# Allegro board rfmc_frontend_v1_00.brd (continued)
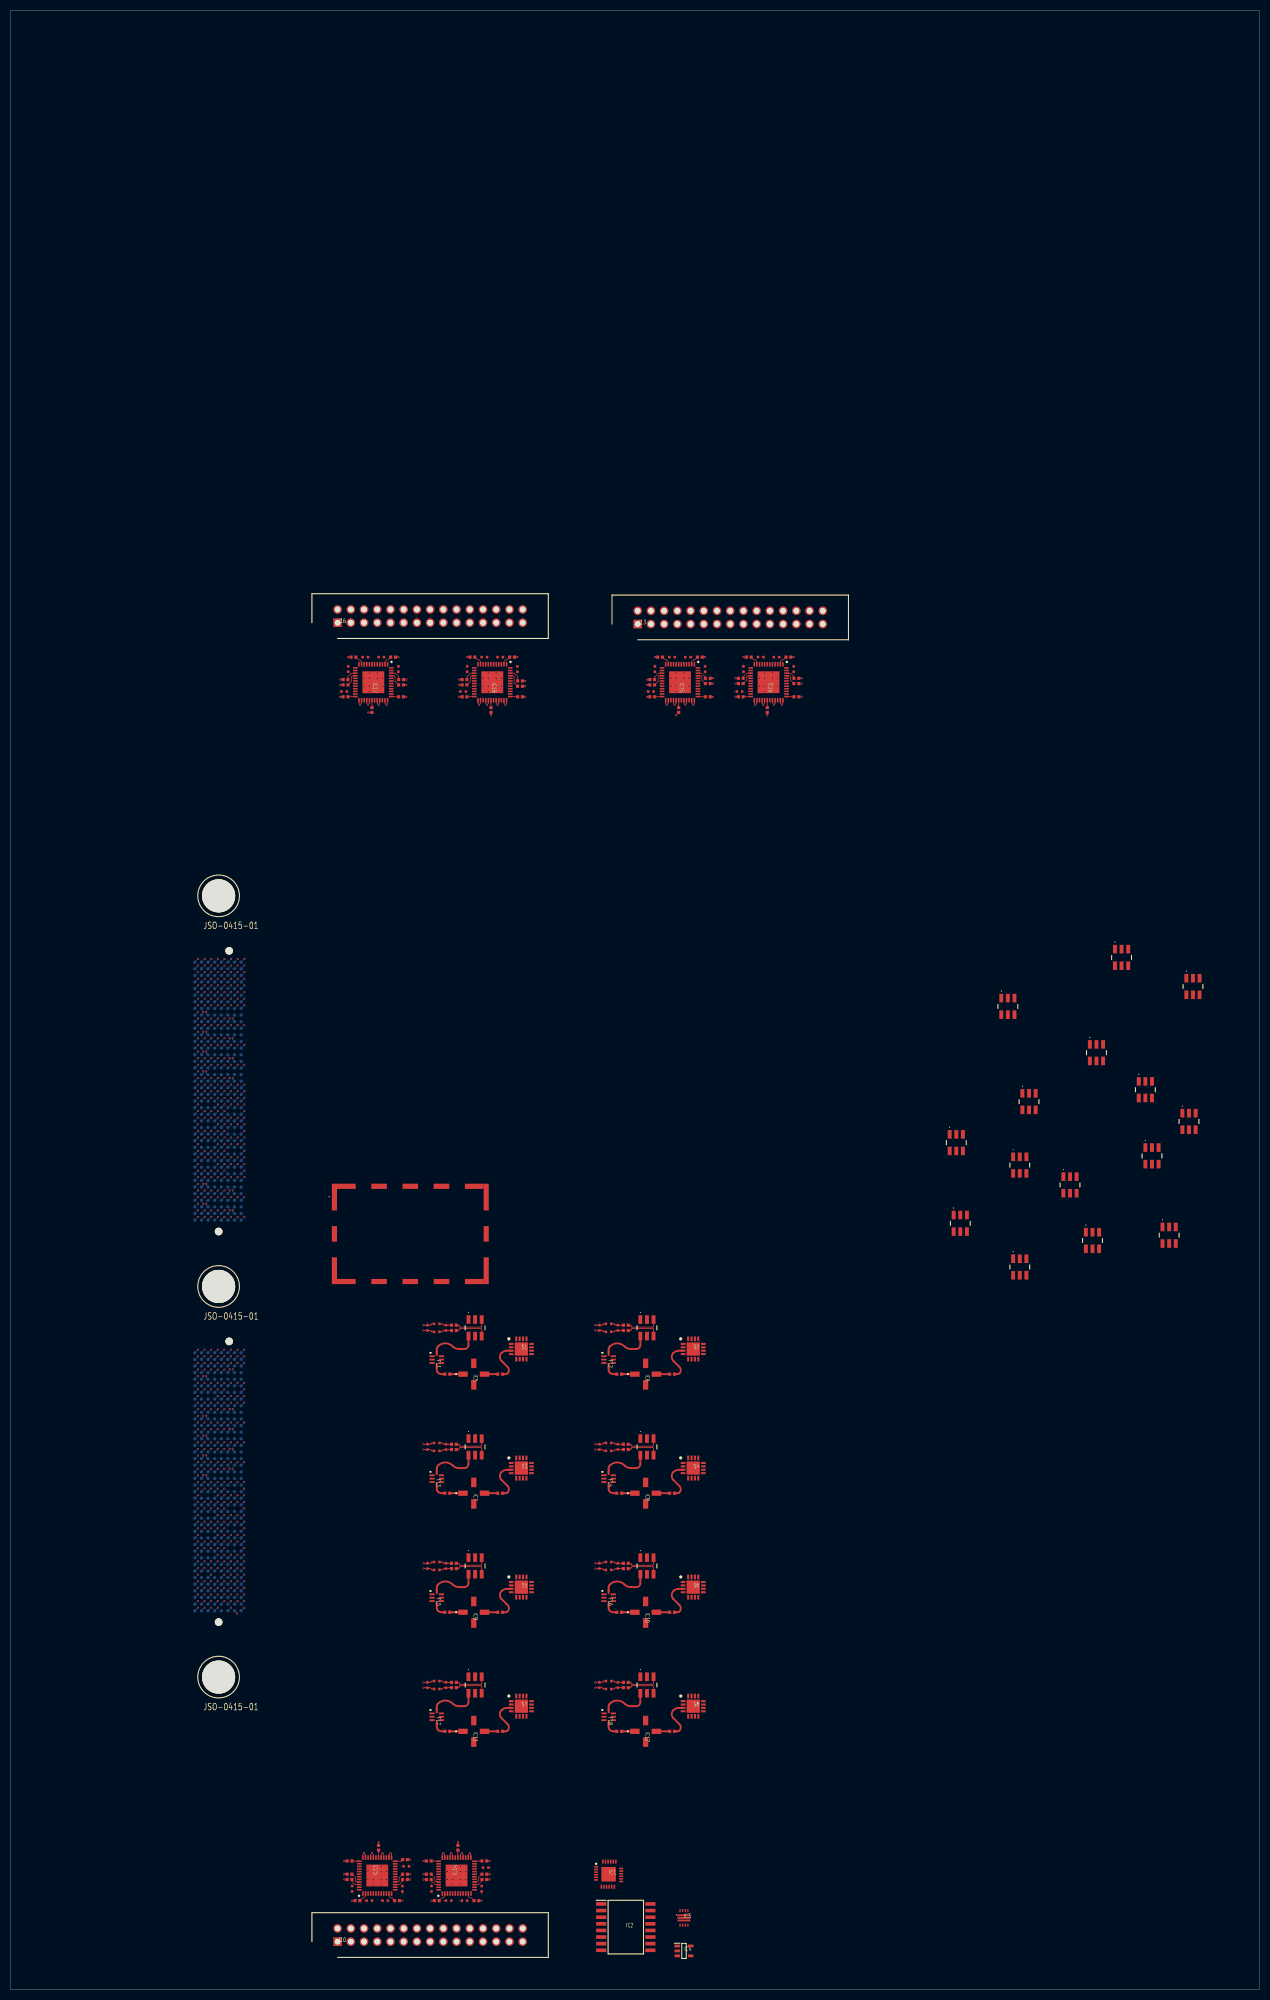
[diagram p0: board, top side]
## Nets
3V3: C130.2 C131.2 C132.2 C133.2 C134.2 C135.2 C136.2 C137.2 C138.2 C140.2 C141.2 C142.2 C143.2 C144.2 C145.2 C146.2 C147.2 C148.2 C150.2 C151.2 C152.2 C153.2 C154.2 C155.2 C156.2 C157.2 C158.2 C160.2 C161.2 C162.2 C163.2 C164.2 C165.2 C166.2 C167.2 C168.2 C170.2 C171.2 C172.2 C173.2 C174.2 C175.2 C176.2 C177.2 C178.2 C180.2 C181.2 C182.2 C183.2 C184.2 C185.2 C186.2 C187.2 C188.2 IC1.21(VCC) IC1.23 IC2.1 IC2.16 IC13.2 IC13.11 IC13.15 IC13.16 IC13.24 IC13.30 IC13.37 IC13.45 IC13.46(VCC_8) IC14.2 IC14.11 IC14.15 IC14.16 IC14.24 IC14.30 IC14.37 IC14.45 IC14.46(VCC_8) IC15.2 IC15.11 IC15.15 IC15.16 IC15.24 IC15.30 IC15.37 IC15.45 IC15.46(VCC_8) IC16.2 IC16.11 IC16.15 IC16.16 IC16.24 IC16.30 IC16.37 IC16.45 IC16.46(VCC_8) IC17.2 IC17.11 IC17.15 IC17.16 IC17.24 IC17.30 IC17.37 IC17.45 IC17.46(VCC_8) IC18.2 IC18.11 IC18.15 IC18.16 IC18.24 IC18.30 IC18.37 IC18.45 IC18.46(VCC_8) J10.30 J13.30 J16.30
3V3_EXT: J20.A34 J20.B34 J20.C34 J20.D34 J20.E34 J20.F34 J20.G34 J20.H34 J21.A7 J21.B7 J21.C7 J21.D7 J21.E7 J21.F7 J21.G7 J21.H7
5V0A: S1.1(VDD) S2.1(VDD) S3.1(VDD) S4.1(VDD) S5.1(VDD) S6.1(VDD) S7.1(VDD) S8.1(VDD)
7V5A: IC4.1
12V0: IC3.1 IC3.8 J10.28 J10.29 J13.28 J13.29 J16.28 J16.29 J20.A1 J20.B1 J20.C1 J20.D1 J20.E1
12V_PGOOD: IC3.7
GND: C130.1 C131.1 C132.1 C133.1 C134.1 C135.1 C136.1 C137.1 C138.1 C140.1 C141.1 C142.1 C143.1 C144.1 C145.1 C146.1 C147.1 C148.1 C150.1 C151.1 C152.1 C153.1 C154.1 C155.1 C156.1 C157.1 C158.1 C160.1 C161.1 C162.1 C163.1 C164.1 C165.1 C166.1 C167.1 C168.1 C170.1 C171.1 C172.1 C173.1 C174.1 C175.1 C176.1 C177.1 C178.1 C180.1 C181.1 C182.1 C183.1 C184.1 C185.1 C186.1 C187.1 C188.1 FL1.1 FL1.2 FL1.3 FL1.5 FL1.6 FL1.7 FL2.1 FL2.2 FL2.3 FL2.5 FL2.6 FL2.7 FL3.1 FL3.2 FL3.3 FL3.5 FL3.6 FL3.7 FL4.1 FL4.2 FL4.3 FL4.5 FL4.6 FL4.7 FL5.1 FL5.2 FL5.3 FL5.5 FL5.6 FL5.7 FL6.1 FL6.2 FL6.3 FL6.5 FL6.6 FL6.7 FL7.1 FL7.2 FL7.3 FL7.5 FL7.6 FL7.7 FL8.1 FL8.2 FL8.3 FL8.5 FL8.6 FL8.7 H4.1 H4.2 H4.3 H4.4 H4.5 H4.6 H4.7 H4.8 H4.9 H4.10 H4.11 H4.12 H4.13 H4.14 H4.15 H4.16 IC1.9 IC1.18 IC1.22 IC1.25 IC2.2 IC2.3 IC2.8(VSS) IC3.3 IC3.4 IC3.11 IC4.2 IC5.2 IC5.4 IC6.2 IC6.4 IC7.2 IC7.4 IC8.2 IC8.4 IC9.2 IC9.4 IC10.2 IC10.4 IC11.2 IC11.4 IC12.2 IC12.4 IC13.6 IC13.7 IC13.18 IC13.20 IC13.22 IC13.23 IC13.27 IC13.31 IC13.34 IC13.38 IC13.39 IC13.41 IC13.43 IC13.49 IC14.6 IC14.7 IC14.18 IC14.20 IC14.22 IC14.23 IC14.27 IC14.31 IC14.34 IC14.38 IC14.39 IC14.41 IC14.43 IC14.49 IC15.6 IC15.7 IC15.18 IC15.20 IC15.22 IC15.23 IC15.27 IC15.31 IC15.34 IC15.38 IC15.39 IC15.41 IC15.43 IC15.49 IC16.6 IC16.7 IC16.18 IC16.20 IC16.22 IC16.23 IC16.27 IC16.31 IC16.34 IC16.38 IC16.39 IC16.41 IC16.43 IC16.49 IC17.6 IC17.7 IC17.18 IC17.20 IC17.22 IC17.23 IC17.27 IC17.31 IC17.34 IC17.38 IC17.39 IC17.41 IC17.43 IC17.49 IC18.6 IC18.7 IC18.18 IC18.20 IC18.22 IC18.23 IC18.27 IC18.31 IC18.34 IC18.38 IC18.39 IC18.41 IC18.43 IC18.49 J10.1 J10.4 J10.7 J10.10 J10.13 J10.16 J10.19 J10.22 J10.25 J13.1 J13.4 J13.7 J13.10 J13.13 J13.16 J13.19 J13.22 J13.25 J16.1 J16.4 J16.7 J16.10 J16.13 J16.16 J16.19 J16.22 J16.25 J20.A2 J20.A3 J20.A4 J20.A5 J20.A6 J20.A7 J20.A8 J20.A9 J20.A10 J20.A11 J20.A12 J20.A13 J20.A14 J20.A15 J20.A16 J20.A17 J20.A18 J20.A19 J20.A20 J20.A21 J20.A22 J20.A23 J20.A24 J20.A25 J20.A26 J20.A27 J20.A28 J20.A29 J20.A30 J20.A31 J20.A32 J20.A33 J20.A36 J20.A38 J20.A40 J20.B2 J20.B3 J20.B5 J20.B6 J20.B8 J20.B9 J20.B11 J20.B12 J20.B14 J20.B15 J20.B17 J20.B18 J20.B20 J20.B21 J20.B23 J20.B24 J20.B26 J20.B27 J20.B29 J20.B30 J20.B32 J20.B33 J20.B35 J20.B37 J20.B39 J20.C2 J20.C3 J20.C5 J20.C6 J20.C8 J20.C9 J20.C11 J20.C12 J20.C14 J20.C15 J20.C17 J20.C18 J20.C20 J20.C21 J20.C23 J20.C24 J20.C26 J20.C27 J20.C29 J20.C30 J20.C32 J20.C33 J20.C36 J20.C38 J20.C40 J20.D2 J20.D3 J20.D4 J20.D5 J20.D6 J20.D7 J20.D8 J20.D9 J20.D10 J20.D11 J20.D12 J20.D13 J20.D14 J20.D15 J20.D16 J20.D17 J20.D18 J20.D19 J20.D20 J20.D21 J20.D22 J20.D23 J20.D24 J20.D25 J20.D26 J20.D27 J20.D28 J20.D29 J20.D30 J20.D31 J20.D32 J20.D33 J20.D35 J20.D37 J20.D39 J20.E2 J20.E3 J20.E4 J20.E5 J20.E6 J20.E7 J20.E8 J20.E9 J20.E10 J20.E11 J20.E12 J20.E13 J20.E14 J20.E15 J20.E16 J20.E17 J20.E18 J20.E19 J20.E20 J20.E21 J20.E22 J20.E23 J20.E24 J20.E25 J20.E26 J20.E27 J20.E28 J20.E29 J20.E30 J20.E31 J20.E32 J20.E33 J20.E36 J20.E38 J20.E40 J20.F1 J20.F2 J20.F3 J20.F4 J20.F6 J20.F7 J20.F9 J20.F10 J20.F12 J20.F13 J20.F15 J20.F16 J20.F18 J20.F19 J20.F21 J20.F22 J20.F24 J20.F25 J20.F27 J20.F28 J20.F30 J20.F31 J20.F33 J20.F35 J20.F37 J20.F39 J20.G3 J20.G4 J20.G6 J20.G7 J20.G9 J20.G10 J20.G12 J20.G13 J20.G15 J20.G16 J20.G18 J20.G19 J20.G21 J20.G22 J20.G24 J20.G25 J20.G27 J20.G28 J20.G30 J20.G31 J20.G33 J20.G36 J20.G38 J20.G40 J20.H3 J20.H4 J20.H5 J20.H6 J20.H7 J20.H8 J20.H9 J20.H10 J20.H11 J20.H12 J20.H13 J20.H14 J20.H15 J20.H16 J20.H17 J20.H18 J20.H19 J20.H20 J20.H21 J20.H22 J20.H23 J20.H24 J20.H25 J20.H26 J20.H27 J20.H28 J20.H29 J20.H30 J20.H31 J20.H32 J20.H33 J20.H35 J20.H37 J20.H39 J21.A1 J21.A3 J21.A5 J21.A8 J21.A9 J21.A10 J21.A11 J21.A12 J21.A13 J21.A14 J21.A15 J21.A16 J21.A17 J21.A18 J21.A19 J21.A20 J21.A22 J21.A23 J21.A24 J21.A25 J21.A26 J21.A27 J21.A28 J21.A29 J21.A30 J21.A31 J21.A32 J21.A33 J21.A34 J21.A35 J21.A36 J21.A37 J21.A38 J21.A39 J21.A40 J21.B2 J21.B4 J21.B6 J21.B8 J21.B9 J21.B11 J21.B12 J21.B14 J21.B15 J21.B17 J21.B18 J21.B20 J21.B22 J21.B23 J21.B25 J21.B26 J21.B28 J21.B29 J21.B31 J21.B32 J21.B34 J21.B35 J21.B37 J21.B38 J21.B40 J21.C1 J21.C3 J21.C5 J21.C8 J21.C9 J21.C11 J21.C12 J21.C14 J21.C15 J21.C17 J21.C18 J21.C20 J21.C22 J21.C23 J21.C25 J21.C26 J21.C28 J21.C29 J21.C31 J21.C32 J21.C34 J21.C35 J21.C37 J21.C38 J21.C40 J21.D2 J21.D4 J21.D6 J21.D8 J21.D9 J21.D10 J21.D11 J21.D12 J21.D13 J21.D14 J21.D15 J21.D16 J21.D17 J21.D18 J21.D19 J21.D20 J21.D22 J21.D23 J21.D24 J21.D25 J21.D26 J21.D27 J21.D28 J21.D29 J21.D30 J21.D31 J21.D32 J21.D33 J21.D34 J21.D35 J21.D36 J21.D37 J21.D38 J21.D39 J21.D40 J21.E1 J21.E3 J21.E5 J21.E8 J21.E9 J21.E10 J21.E11 J21.E12 J21.E13 J21.E14 J21.E15 J21.E16 J21.E17 J21.E18 J21.E19 J21.E20 J21.E22 J21.E23 J21.E24 J21.E25 J21.E26 J21.E27 J21.E28 J21.E29 J21.E30 J21.E31 J21.E32 J21.E33 J21.E34 J21.E35 J21.E36 J21.E37 J21.E38 J21.E39 J21.E40 J21.F2 J21.F4 J21.F6 J21.F8 J21.F10 J21.F11 J21.F13 J21.F14 J21.F16 J21.F17 J21.F19 J21.F20 J21.F22 J21.F24 J21.F25 J21.F27 J21.F28 J21.F30 J21.F31 J21.F33 J21.F34 J21.F36 J21.F37 J21.F39 J21.F40 J21.G1 J21.G3 J21.G5 J21.G8 J21.G10 J21.G11 J21.G13 J21.G14 J21.G16 J21.G17 J21.G19 J21.G20 J21.G22 J21.G24 J21.G25 J21.G27 J21.G28 J21.G30 J21.G31 J21.G33 J21.G34 J21.G36 J21.G37 J21.G39 J21.G40 J21.H2 J21.H4 J21.H6 J21.H8 J21.H9 J21.H10 J21.H11 J21.H12 J21.H13 J21.H14 J21.H15 J21.H16 J21.H17 J21.H18 J21.H19 J21.H20 J21.H22 J21.H23 J21.H24 J21.H25 J21.H26 J21.H27 J21.H28 J21.H29 J21.H30 J21.H31 J21.H32 J21.H33 J21.H34 J21.H35 J21.H36 J21.H37 J21.H38 J21.H39 J21.H40 R121.1 R126.1 R131.1 R136.1 R141.1 R146.1 S1.10 S1.11 S1.17 S2.10 S2.11 S2.17 S3.10 S3.11 S3.17 S4.10 S4.11 S4.17 S5.10 S5.11 S5.17 S6.10 S6.11 S6.17 S7.10 S7.11 S7.17 S8.10 S8.11 S8.17 T1.2 T1.5 T2.2 T2.5 T3.2 T3.5 T4.2 T4.5 T5.2 T5.5 T6.2 T6.5 T7.2 T7.5 T8.2 T8.5 T9.2 T9.5 T10.2 T10.5 T11.2 T11.5 T12.2 T12.5 T13.2 T13.5 T14.2 T14.5 T15.2 T15.5 T16.2 T16.5 T17.2 T17.5 T18.2 T18.5 T19.2 T19.5 T20.2 T20.5 T21.2 T21.5 T22.2 T22.5 T23.2 T23.5
ADC_00_N: J21.F9
ADC_00_P: J21.G9
ADC_01_N: J21.B10
ADC_01_P: J21.C10
ADC_02_N: J21.F12
ADC_02_P: J21.G12
ADC_03_N: J21.B13
ADC_03_P: J21.C13
ADC_04_N: J21.F15
ADC_04_P: J21.G15
ADC_05_N: J21.B16
ADC_05_P: J21.C16
ADC_06_N: J21.F18
ADC_06_P: J21.G18
ADC_07_N: J21.B19
ADC_07_P: J21.C19
ADC_CLK_IN_0: T1.6
ADC_CLK_IN_1: T3.6
ADC_CLK_IN_2: T5.6
ADC_CLK_IN_3: T7.6
ADC_CLK_N_0: J21.B36 T1.3
ADC_CLK_N_1: J21.F35 T3.3
ADC_CLK_N_2: J21.B39 T5.3
ADC_CLK_N_3: J21.F38 T7.3
ADC_CLK_P_0: J21.C36 T1.4(SECONDARY_DOT)
ADC_CLK_P_1: J21.G35 T3.4(SECONDARY_DOT)
ADC_CLK_P_2: J21.C39 T5.4(SECONDARY_DOT)
ADC_CLK_P_3: J21.G38 T7.4(SECONDARY_DOT)
ADCIO_00: IC15.32 IC15.33 J21.A2
ADCIO_01: IC16.28 IC16.29 J21.A4
ADCIO_02: IC15.28 IC15.29 J21.B1
ADCIO_03: IC15.35 IC15.36 J21.B3
ADCIO_04: IC16.35 IC16.36 J21.B5
ADCIO_05: IC15.25 IC15.26 J21.C2
ADCIO_06: IC16.25 IC16.26 J21.C4
ADCIO_07: IC18.35 IC18.36 J21.D1
ADCIO_08: IC17.32 IC17.33 J21.D3
ADCIO_09: IC16.32 IC16.33 J21.D5
ADCIO_10: IC18.32 IC18.33 J21.E2
ADCIO_11: IC17.28 IC17.29 J21.E4
ADCIO_12: IC18.28 IC18.29 J21.F1
ADCIO_13: IC17.35 IC17.36 J21.F3
ADCIO_14: IC17.25 IC17.26 J21.F5
ADCIO_15: IC18.25 IC18.26 J21.G2
ADCIO_16: J21.G4
ADCIO_17: J21.H1
ADCIO_18: J21.H3
ADCIO_VADJ: J21.A6 J21.C6
DAC_00_N: J20.B10 R23.1 R25.1
DAC_00_P: J20.C10 R22.1 R23.2
DAC_01_N: J20.F11 R35.1 R37.1
DAC_01_P: J20.G11 R34.1 R35.2
DAC_02_N: J20.B13 R47.1 R49.1
DAC_02_P: J20.C13 R46.1 R47.2
DAC_03_N: J20.F14 R59.1 R61.1
DAC_03_P: J20.G14 R58.1 R59.2
DAC_04_N: J20.B16 R71.1 R73.1
DAC_04_P: J20.C16 R70.1 R71.2
DAC_05_N: J20.F17 R83.1 R85.1
DAC_05_P: J20.G17 R82.1 R83.2
DAC_06_N: J20.B19 R95.1 R97.1
DAC_06_P: J20.C19 R94.1 R95.2
DAC_07_N: J20.F20 R107.1 R109.1
DAC_07_P: J20.G20 R106.1 R107.2
DAC_AVTT: J20.G1 J20.G2 J20.H1 J20.H2
DAC_CLK_IN_0: T2.6
DAC_CLK_IN_1: T4.6
DAC_CLK_N_0: J20.B4 T2.3
DAC_CLK_N_1: J20.F5 T4.3
DAC_CLK_P_0: J20.C4 T2.4(SECONDARY_DOT)
DAC_CLK_P_1: J20.G5 T4.4(SECONDARY_DOT)
DACIO_00: IC14.32 IC14.33 J20.A37
DACIO_01: IC13.28 IC13.29 J20.A39
DACIO_02: IC14.28 IC14.29 J20.B36
DACIO_03: IC13.25 IC13.26 J20.B38
DACIO_04: IC13.35 IC13.36 J20.B40
DACIO_05: IC14.35 IC14.36 J20.C37
DACIO_06: IC13.32 IC13.33 J20.C39
DACIO_07: IC14.25 IC14.26 J20.D36
DACIO_08: J20.D38
DACIO_09: J20.D40
DACIO_10: J20.E37
DACIO_11: J20.E39
DACIO_VADJ: J20.A35 J20.C35
DE_0: IC2.4 IC13.1 IC13.5 IC13.8 IC13.12 IC13.19 IC13.21 IC13.40 IC13.42 R121.2
DE_1: IC2.5 IC14.1 IC14.5 IC14.8 IC14.12 IC14.19 IC14.21 IC14.40 IC14.42 R126.2
DE_2: IC2.6 IC15.1 IC15.5 IC15.8 IC15.12 IC15.19 IC15.21 IC15.40 IC15.42 R131.2
DE_3: IC2.7 IC16.1 IC16.5 IC16.8 IC16.12 IC16.19 IC16.21 IC16.40 IC16.42 R136.2
DE_4: IC2.9 IC17.1 IC17.5 IC17.8 IC17.12 IC17.19 IC17.21 IC17.40 IC17.42 R141.2
DE_5: IC2.10 IC18.1 IC18.5 IC18.8 IC18.12 IC18.19 IC18.21 IC18.40 IC18.42 R146.2
EXT_CLK: T6.6
EXT_CLK_N: T6.3
EXT_CLK_P: T6.4(SECONDARY_DOT)
I2C_RESET: IC1.24 J21.H5
I2C_SCL: IC1.19 J21.G6
I2C_SDA: IC1.20 J21.E6
LVDS_IO_N_0: IC13.48 J10.3 R117.2
LVDS_IO_N_1: IC13.4 J10.6 R119.2
LVDS_IO_N_2: IC13.10 J10.9 R118.2
LVDS_IO_N_3: IC13.14 J10.12 R120.2
LVDS_IO_N_4: IC14.48 J10.15 R122.2
LVDS_IO_N_5: IC14.4 J10.18 R124.2
LVDS_IO_N_6: IC14.10 J10.21 R123.2
LVDS_IO_N_7: IC14.14 J10.24 R125.2
LVDS_IO_N_8: IC15.48 J13.3 R127.2
LVDS_IO_N_9: IC15.4 J13.6 R129.2
LVDS_IO_N_10: IC15.10 J13.9 R128.2
LVDS_IO_N_11: IC15.14 J13.12 R130.2
LVDS_IO_N_12: IC16.48 J13.15 R132.2
LVDS_IO_N_13: IC16.4 J13.18 R134.2
LVDS_IO_N_14: IC16.10 J13.21 R133.2
LVDS_IO_N_15: IC16.14 J13.24 R135.2
LVDS_IO_N_16: IC17.48 J16.3 R137.2
LVDS_IO_N_17: IC17.4 J16.6 R139.2
LVDS_IO_N_18: IC17.10 J16.9 R138.2
LVDS_IO_N_19: IC17.14 J16.12 R140.2
LVDS_IO_N_20: IC18.48 J16.15 R142.2
LVDS_IO_N_21: IC18.4 J16.18 R144.2
LVDS_IO_N_22: IC18.10 J16.21 R143.2
LVDS_IO_N_23: IC18.14 J16.24 R145.2
LVDS_IO_P_0: IC13.47 J10.2 R117.1
LVDS_IO_P_1: IC13.3 J10.5 R119.1
LVDS_IO_P_2: IC13.9 J10.8 R118.1
LVDS_IO_P_3: IC13.13 J10.11 R120.1
LVDS_IO_P_4: IC14.47 J10.14 R122.1
LVDS_IO_P_5: IC14.3 J10.17 R124.1
LVDS_IO_P_6: IC14.9 J10.20 R123.1
LVDS_IO_P_7: IC14.13 J10.23 R125.1
LVDS_IO_P_8: IC15.47 J13.2 R127.1
LVDS_IO_P_9: IC15.3 J13.5 R129.1
LVDS_IO_P_10: IC15.9 J13.8 R128.1
LVDS_IO_P_11: IC15.13 J13.11 R130.1
LVDS_IO_P_12: IC16.47 J13.14 R132.1
LVDS_IO_P_13: IC16.3 J13.17 R134.1
LVDS_IO_P_14: IC16.9 J13.20 R133.1
LVDS_IO_P_15: IC16.13 J13.23 R135.1
LVDS_IO_P_16: IC17.47 J16.2 R137.1
LVDS_IO_P_17: IC17.3 J16.5 R139.1
LVDS_IO_P_18: IC17.9 J16.8 R138.1
LVDS_IO_P_19: IC17.13 J16.11 R140.1
LVDS_IO_P_20: IC18.47 J16.14 R142.1
LVDS_IO_P_21: IC18.3 J16.17 R144.1
LVDS_IO_P_22: IC18.9 J16.20 R143.1
LVDS_IO_P_23: IC18.13 J16.23 R145.1
N00697_CH0: C40.2 T8.3
N00697_CH1: C52.2 T10.3
N00697_CH2: C64.2 T12.3
N00697_CH3: C76.2 T14.3
N00697_CH4: C88.2 T16.3
N00697_CH5: C100.2 T18.3
N00697_CH6: C112.2 T20.3
N00697_CH7: C124.2 T22.3
N00708_CH0: C38.2 T8.4(SECONDARY_DOT)
N00708_CH1: C50.2 T10.4(SECONDARY_DOT)
N00708_CH2: C62.2 T12.4(SECONDARY_DOT)
N00708_CH3: C74.2 T14.4(SECONDARY_DOT)
N00708_CH4: C86.2 T16.4(SECONDARY_DOT)
N00708_CH5: C98.2 T18.4(SECONDARY_DOT)
N00708_CH6: C110.2 T20.4(SECONDARY_DOT)
N00708_CH7: C122.2 T22.4(SECONDARY_DOT)
N01523_CH0: FL1.8 T8.6
N01523_CH1: FL2.8 T10.6
N01523_CH2: FL3.8 T12.6
N01523_CH3: FL4.8 T14.6
N01523_CH4: FL5.8 T16.6
N01523_CH5: FL6.8 T18.6
N01523_CH6: FL7.8 T20.6
N01523_CH7: FL8.8 T22.6
N07182_CH0: T9.4(SECONDARY_DOT)
N07182_CH1: T11.4(SECONDARY_DOT)
N07182_CH2: T13.4(SECONDARY_DOT)
N07182_CH3: T15.4(SECONDARY_DOT)
N07182_CH4: T17.4(SECONDARY_DOT)
N07182_CH5: T19.4(SECONDARY_DOT)
N07182_CH6: T21.4(SECONDARY_DOT)
N07182_CH7: T23.4(SECONDARY_DOT)
N07246_CH0: T9.3
N07246_CH1: T11.3
N07246_CH2: T13.3
N07246_CH3: T15.3
N07246_CH4: T17.3
N07246_CH5: T19.3
N07246_CH6: T21.3
N07246_CH7: T23.3
N07350_CH0: T9.6
N07350_CH1: T11.6
N07350_CH2: T13.6
N07350_CH3: T15.6
N07350_CH4: T17.6
N07350_CH5: T19.6
N07350_CH6: T21.6
N07350_CH7: T23.6
N10383_CH0: S1.9
N10383_CH1: S2.9
N10383_CH2: S3.9
N10383_CH3: S4.9
N10383_CH4: S5.9
N10383_CH5: S6.9
N10383_CH6: S7.9
N10383_CH7: S8.9
N10635_CH0: S1.12
N10635_CH1: S2.12
N10635_CH2: S3.12
N10635_CH3: S4.12
N10635_CH4: S5.12
N10635_CH5: S6.12
N10635_CH6: S7.12
N10635_CH7: S8.12
N12886_CH0: C42.1 IC5.3
N12886_CH1: C54.1 IC6.3
N12886_CH2: C66.1 IC7.3
N12886_CH3: C78.1 IC8.3
N12886_CH4: C90.1 IC9.3
N12886_CH5: C102.1 IC10.3
N12886_CH6: C114.1 IC11.3
N12886_CH7: C126.1 IC12.3
N14856_CH0: C42.2 S1.3
N14856_CH1: C54.2 S2.3
N14856_CH2: C66.2 S3.3
N14856_CH3: C78.2 S4.3
N14856_CH4: C90.2 S5.3
N14856_CH5: C102.2 S6.3
N14856_CH6: C114.2 S7.3
N14856_CH7: C126.2 S8.3
N15831_CH0: S1.5
N15831_CH1: S2.5
N15831_CH2: S3.5
N15831_CH3: S4.5
N15831_CH4: S5.5
N15831_CH5: S6.5
N15831_CH6: S7.5
N15831_CH7: S8.5
N17462_CH0: C38.1 R22.2 R24.2
N17462_CH1: C50.1 R34.2 R36.2
N17462_CH2: C62.1 R46.2 R48.2
N17462_CH3: C74.1 R58.2 R60.2
N17462_CH4: C86.1 R70.2 R72.2
N17462_CH5: C98.1 R82.2 R84.2
N17462_CH6: C110.1 R94.2 R96.2
N17462_CH7: C122.1 R106.2 R108.2
N17639_CH0: C40.1 R24.1 R25.2
N17639_CH1: C52.1 R36.1 R37.2
N17639_CH2: C64.1 R48.1 R49.2
N17639_CH3: C76.1 R60.1 R61.2
N17639_CH4: C88.1 R72.1 R73.2
N17639_CH5: C100.1 R84.1 R85.2
N17639_CH6: C112.1 R96.1 R97.2
N17639_CH7: C124.1 R108.1 R109.2
N077980_CH0: C41.2 IC5.1(RF_IN)
N077980_CH1: C53.2 IC6.1(RF_IN)
N077980_CH2: C65.2 IC7.1(RF_IN)
N077980_CH3: C77.2 IC8.1(RF_IN)
N077980_CH4: C89.2 IC9.1(RF_IN)
N077980_CH5: C101.2 IC10.1(RF_IN)
N077980_CH6: C113.2 IC11.1(RF_IN)
N077980_CH7: C125.2 IC12.1(RF_IN)
N079143_CH0: C41.1 FL1.4(OUTPUT)
N079143_CH1: C53.1 FL2.4(OUTPUT)
N079143_CH2: C65.1 FL3.4(OUTPUT)
N079143_CH3: C77.1 FL4.4(OUTPUT)
N079143_CH4: C89.1 FL5.4(OUTPUT)
N079143_CH5: C101.1 FL6.4(OUTPUT)
N079143_CH6: C113.1 FL7.4(OUTPUT)
N079143_CH7: C125.1 FL8.4(OUTPUT)
SCL0: IC1.2 J10.27
SCL1: IC1.4 J13.27
SCL2: IC1.6 J16.27
SCL3: IC1.8 IC2.14
SDA0: IC1.1 J10.26
SDA1: IC1.3 J13.26
SDA2: IC1.5 J16.26
SDA3: IC1.7 IC2.15
SWITCH_00: J20.G37 S1.2
SWITCH_01: J20.G39 S2.2
SWITCH_02: J20.F36 S3.2
SWITCH_03: J20.H40 S4.2
SWITCH_04: J20.F38 S5.2
SWITCH_05: J20.H38 S6.2
SWITCH_06: J20.F40 S7.2
SWITCH_07: J20.H36 S8.2
VCM: J21.A21 J21.B21 J21.C21 J21.D21 J21.E21 J21.F21 J21.G21 J21.H21
N169967: IC3.2
N170113: IC3.9
N170185: IC3.6(VOS)
N178138: IC3.5
N178298: IC3.10
N206811: IC4.3
N207170: IC4.5(OUT)
N213878: IC4.4

Pads without a net: IC1 10 11 12 13 14 15 16 17; IC2 11 12 13; IC13 17 44; IC14 17 44; IC15 17 44; IC16 17 44; IC17 17 44; IC18 17 44; J20 B7 B22 B25 B28 B31 C7 C22 C25 C28 C31 E35 F8 F23 F26 F29 F32 G8 G23 G26 G29 G32 G35; J21 B24 B27 B30 B33 C24 C27 C30 C33 F23 F26 F29 F32 G23 G26 G29 G32; S1 4 6 7 8 13 14 15 16; S2 4 6 7 8 13 14 15 16; S3 4 6 7 8 13 14 15 16; S4 4 6 7 8 13 14 15 16; S5 4 6 7 8 13 14 15 16; S6 4 6 7 8 13 14 15 16; S7 4 6 7 8 13 14 15 16; S8 4 6 7 8 13 14 15 16; T1 1; T2 1; T3 1; T4 1; T5 1; T6 1; T7 1; T8 1; T9 1; T10 1; T11 1; T12 1; T13 1; T14 1; T15 1; T16 1; T17 1; T18 1; T19 1; T20 1; T21 1; T22 1; T23 1

## Via types
v1: diameter 0.381, hole 0.229, TOP to BOTTOM, 701 vias

## Routing (per net, layer and track width the routed paths; a pad name or vN(x,y) marks a point on that pad's centre or on a via; arc(x,y) is an arc through that point)
3V3: length 105.7
  TOP w0.127: IC15.30 128.4,246.69 128.39,246.69 C152.2 ; IC14.46 81.59,20.15 80.85,20.89 C131.2 ; C161.2 150.52,250.75 149.86,251.42 149.86,252.03 149.63,252.26 IC16.45 ; IC18.45 96.55,252.26 96.77,252.03 96.77,250.91 97.44,250.25 C187.2 ; C175.2 74.58,250.5 73.91,251.16 73.91,252.03 73.69,252.26 IC17.45 ; IC18.24 88.35,248.26 88.3,248.21 C181.2 ; IC18.37 96.81,248.26 96.85,248.21 C188.2 ; IC13.16 73.98,20.7 74.5,20.7 74.68,20.88 74.68,21.49 75.34,22.15 C146.2 ; IC16.11 143.41,254.98 143.08,255.31 142.83,255.31 142.31,255.82 C164.2 ; IC14.30 85.97,26.05 85.97,26.06 C133.2 ; IC17.24 65.52,248.26 65.48,248.21 C172.2 ; C184.2 89.23,255.82 89.74,255.31 89.99,255.31 90.33,254.98 IC18.11 ; C154.2 123.77,252.02 124.51,252.76 IC15.15 ; IC13.30 70.73,26.05 70.73,26.06 C142.2 ; C174.2 73.99,248.21 73.95,248.26 IC17.37 ; C145.2 75.35,20.83 74.67,20.15 IC13.15 ; IC16.30 145.42,246.69 145.41,246.69 C168.2 ; IC15.11 126.4,254.98 126.06,255.31 125.81,255.31 125.3,255.82 C156.2 ; IC14.24 90,24.65 90.04,24.69 C134.2 ; IC16.16 142.16,252.2 141.64,252.2 141.47,252.03 141.47,251.42 140.8,250.75 C166.2 ; C155.2 123.79,250.5 124.45,251.16 124.45,252.03 124.62,252.2 124.64,252.2 124.69,252.26 IC15.16 ; C138.2 80.86,22.15 81.52,21.49 81.52,20.88 81.7,20.7 82.22,20.7 IC14.45 ; IC17.46 73.91,252.76 74.59,252.08 C176.2 ; C130.2 65.65,22.15 66.28,21.52 66.28,20.88 66.46,20.7 66.98,20.7 IC13.45 ; IC16.15 141.47,252.76 140.79,252.08 C165.2 ; IC14.2 83.47,17.93 83.24,17.7 82.99,17.7 82.37,17.08 C137.2 ; IC13.24 75.06,24.65 C143.2 ; C186.2 97.45,252.08 96.77,252.76 IC18.46 ; C158.2 132.92,248.21 132.88,248.26 IC15.37 ; IC13.37 66.33,24.65 66.28,24.69 C141.2 ; C163.2 149.01,255.82 148.5,255.31 148.25,255.31 147.91,254.98 IC16.2 ; IC13.2 68.23,17.93 67.9,17.6 67.64,17.6 67.13,17.08 C144.2 ; C140.2 90.58,22.15 89.92,21.49 89.92,20.88 89.74,20.7 89.22,20.7 IC14.16 ; C173.2 69.46,246.69 69.47,246.69 IC17.30 ; IC15.24 124.41,248.26 124.37,248.21 C153.2 ; IC17.11 67.47,254.98 67.13,255.31 66.88,255.31 66.37,255.82 C178.2 ; IC13.46 66.29,20.15 65.61,20.83 C148.2 ; C171.2 64.86,250.5 65.52,251.16 65.52,252.03 65.69,252.2 66.22,252.2 IC17.16 ; IC18.2 94.83,254.98 95.16,255.31 95.42,255.31 95.93,255.82 C185.2 ; C167.2 141.39,248.21 141.43,248.26 IC16.24 ; IC17.15 65.52,252.76 64.84,252.08 C170.2 ; C162.2 150.54,252.08 149.86,252.76 IC16.46 ; IC14.37 81.49,24.65 81.45,24.69 C132.2 ; C180.2 92.32,246.85 92.33,246.85 IC18.30 ; IC14.15 89.91,20.15 90.59,20.83 C135.2 ; C150.2 133.52,251.78 133.31,251.99 133.31,252.23 132.78,252.76 IC15.46 ; C157.2 132,255.82 131.48,255.31 131.23,255.31 130.9,254.98 IC15.2 ; IC17.2 71.97,254.98 72.3,255.31 72.56,255.31 73.07,255.82 C177.2 ; C183.2 87.7,252.02 88.45,252.76 IC18.15 ; IC13.11 72.73,17.93 73.06,17.6 73.32,17.6 73.83,17.08 C147.2 ; IC14.11 87.97,17.93 88.2,17.7 88.45,17.7 89.07,17.08 C136.2 ; C160.2 149.94,248.21 149.9,248.26 IC16.37 ; IC15.45 132.62,252.26 132.84,252.03 132.84,251.42 133.5,250.75 C151.2 ; IC18.16 88.61,252.26 88.38,252.03 88.38,251.16 87.72,250.5 C182.2
3V3_EXT: length 13.9
  BOTTOM w0.124: J21.G7 v1(37.33,190.28) ; J20.B34 v1(43.65,80.95) ; J21.H7 v1(36.06,190.28) ; J20.A34 v1(44.92,80.95) ; v1(43.68,190.28) J21.B7 ; J21.C7 v1(42.41,190.28) ; J20.D34 v1(41.11,80.95) ; J21.D7 v1(41.14,190.28) ; J20.E34 v1(39.84,80.95) ; J20.G34 v1(37.3,80.95) ; J20.F34 v1(38.57,80.95) ; J21.E7 v1(39.87,190.28) ; J21.A7 v1(44.95,190.28) ; J20.C34 v1(42.38,80.95) ; J20.H34 v1(36.03,80.95) ; J21.F7 v1(38.6,190.28)
12V0: length 4.2
  BOTTOM w0.124: J20.A1 v1(44.92,122.86) ; J20.E1 v1(39.84,122.86) ; J20.C1 v1(42.38,122.86) ; J20.B1 v1(43.65,122.86) ; J20.D1 v1(41.11,122.86)
GND: length 390.2
  TOP w0.127: C163.1 v1(150.49,255.83) ; C161.1 v1(152.01,250.75) ; C176.1 v1(76.07,251.52) ; C173.1 v1(68.75,245.21) ; C183.1 v1(86.23,251.52) ; C145.1 v1(76.83,21.14) ; C143.1 v1(76.83,24.95) ; v1(127.88,244.66) 128.39,245.17 C152.1 ; C181.1 v1(86.23,248.21) ; C148.1 v1(64.13,21.14) ; C167.1 v1(139.31,248.21) ; C168.1 v1(145.41,244.66) ; C142.1 v1(70.73,28.31) ; C155.1 v1(122.3,250.5) ; C137.1 v1(80.89,17.07) ; C154.1 v1(122.3,251.52) ; C130.1 v1(64.13,22.15) ; C166.1 v1(139.31,250.75) ; C140.1 v1(92.07,22.15) ; C151.1 v1(135,250.75) ; C172.1 v1(63.37,248.21) ; C150.1 v1(135,251.77) ; C136.1 v1(90.55,17.07) ; C135.1 v1(92.07,21.14) ; C171.1 v1(63.37,250.5) ; C177.1 v1(74.54,255.83) ; C185.1 v1(97.4,255.83) ; C157.1 v1(133.47,255.83) ; C156.1 v1(123.82,255.83) ; C138.1 v1(79.37,22.15) ; C174.1 v1(76.07,248.21) ; C132.1 v1(79.37,24.69) ; C184.1 v1(87.75,255.83) ; C188.1 v1(98.93,248.21) ; C141.1 v1(64.13,24.69) ; C162.1 v1(152.01,251.77) ; C144.1 v1(65.65,17.07) ; C182.1 v1(86.23,250.5) ; C158.1 v1(135,248.21) ; C164.1 v1(140.84,255.83) ; C160.1 v1(152.01,248.21) ; C175.1 v1(76.07,250.5) ; C131.1 v1(79.37,21.14) ; C133.1 v1(85.97,28.31) ; C165.1 v1(139.31,251.77) ; C187.1 v1(98.93,250.25) ; C186.1 v1(98.93,251.26) ; C146.1 v1(76.83,22.15) ; C134.1 v1(92.07,24.69) ; C178.1 v1(64.89,255.83) ; C147.1 v1(75.31,17.07) ; C170.1 v1(63.37,251.52) ; C180.1 v1(92.32,244.66) ; C153.1 v1(122.3,248.21)
  BOTTOM w0.124: J21.H27 v1(36.06,164.88) ; J20.G3 v1(37.3,120.32) ; J20.A32 v1(44.92,83.49) ; J20.D22 v1(41.11,96.19) ; J20.H28 v1(36.03,88.57) ; J21.F6 v1(38.6,191.55) ; J20.D6 v1(41.11,116.51) ; J20.A12 v1(44.92,108.89) ; J20.H33 v1(36.03,82.22) ; J21.G27 v1(37.33,164.88) ; J21.G40 v1(37.33,148.37) ; J20.C40 v1(42.38,73.33) ; J21.H13 v1(36.06,182.66) ; J20.B12 v1(43.65,108.89) ; J21.G37 v1(37.33,152.18) ; J21.G8 v1(37.33,189.01) ; J20.G21 v1(37.3,97.46) ; J21.H40 v1(36.06,148.37) ; J20.D7 v1(41.11,115.24) ; J20.H20 v1(36.03,98.73) ; J21.D4 v1(41.14,194.09) ; J20.B23 v1(43.65,94.92) ; J20.C38 v1(42.38,75.87) ; J21.A40 v1(44.95,148.37) ; J21.E19 v1(39.87,175.04) ; J21.A37 v1(44.95,152.18) ; J21.D31 v1(41.14,159.8) ; J20.E13 v1(39.84,107.62) ; J20.D23 v1(41.11,94.92) ; J20.H8 v1(36.03,113.97) ; J20.C2 v1(42.38,121.59) ; J20.E29 v1(39.84,87.3) ; J20.C30 v1(42.38,86.03) ; J21.D10 v1(41.14,186.47) ; J21.C29 v1(42.41,162.34) ; J21.E27 v1(39.87,164.88) ; J21.F8 v1(38.6,189.01) ; J21.H36 v1(36.06,153.45) ; J21.E37 v1(39.87,152.18) ; J21.F24 v1(38.6,168.69) ; J20.F6 v1(38.57,116.51) ; J20.D27 v1(41.11,89.84) ; J21.F2 v1(38.6,196.63) ; J20.F12 v1(38.57,108.89) ; J20.C29 v1(42.38,87.3) ; J21.G20 v1(37.33,173.77) ; J21.H9 v1(36.06,187.74) ; J20.A29 v1(44.92,87.3) ; J20.E36 v1(39.84,78.41) ; J20.E21 v1(39.84,97.46) ; J20.F21 v1(38.57,97.46) ; J20.H32 v1(36.03,83.49) ; J20.G18 v1(37.3,101.27) ; J20.A23 v1(44.92,94.92) ; J21.F39 v1(38.6,149.64) ; J21.D8 v1(41.14,189.01) ; J20.H10 v1(36.03,111.43) ; J21.H32 v1(36.06,158.53) ; J20.G7 v1(37.3,115.24) ; J20.B2 v1(43.65,121.59) ; J21.E17 v1(39.87,177.58) ; J21.A23 v1(44.95,169.96) ; J20.B15 v1(43.65,105.08) ; J21.A5 v1(44.95,192.82) ; J20.G13 v1(37.3,107.62) ; J21.F20 v1(38.6,173.77) ; J20.B35 v1(43.65,79.68) ; J21.A32 v1(44.95,158.53) ; J21.H30 v1(36.06,161.07) ; J20.G22 v1(37.3,96.19) ; J20.E3 v1(39.84,120.32) ; J20.D4 v1(41.11,119.05) ; J21.B14 v1(43.68,181.39) ; J21.E16 v1(39.87,178.85) ; J20.E31 v1(39.84,84.76) ; J20.C33 v1(42.38,82.22) ; J21.C25 v1(42.41,167.42) ; J20.H19 v1(36.03,100) ; J20.E33 v1(39.84,82.22) ; J20.G19 v1(37.3,100) ; J21.A27 v1(44.95,164.88) ; J20.A8 v1(44.92,113.97) ; J21.D34 v1(41.14,155.99) ; J20.G38 v1(37.3,75.87) ; J20.F33 v1(38.57,82.22) ; J21.A8 v1(44.95,189.01) ; J21.F22 v1(38.6,171.23) ; J20.A40 v1(44.92,73.33) ; J21.F11 v1(38.6,185.2) ; J20.H35 v1(36.03,79.68) ; J20.H3 v1(36.03,120.32) ; J21.E11 v1(39.87,185.2) ; J20.G12 v1(37.3,108.89) ; J20.H22 v1(36.03,96.19) ; J21.F37 v1(38.6,152.18) ; J20.C12 v1(42.38,108.89) ; J20.A9 v1(44.92,112.7) ; J21.C22 v1(42.41,171.23) ; J21.D29 v1(41.14,162.34) ; J20.A31 v1(44.92,84.76) ; J21.E40 v1(39.87,148.37) ; J21.G22 v1(37.33,171.23) ; J20.H13 v1(36.03,107.62) ; J21.A30 v1(44.95,161.07) ; J21.B23 v1(43.68,169.96) ; J21.G3 v1(37.33,195.36) ; J20.A26 v1(44.92,91.11) ; J20.A22 v1(44.92,96.19) ; J21.H28 v1(36.06,163.61) ; J20.H27 v1(36.03,89.84) ; J20.E28 v1(39.84,88.57) ; J21.E3 v1(39.87,195.36) ; J20.G27 v1(37.3,89.84) ; J21.H19 v1(36.06,175.04) ; J21.C14 v1(42.41,181.39) ; J21.F28 v1(38.6,163.61) ; J21.H24 v1(36.06,168.69) ; J21.F13 v1(38.6,182.66) ; J21.G39 v1(37.33,149.64) ; J21.G19 v1(37.33,175.04) ; J20.F30 v1(38.57,86.03) ; J20.B21 v1(43.65,97.46) ; J21.A11 v1(44.95,185.2) ; J20.F24 v1(38.57,93.65) ; J21.A34 v1(44.95,155.99) ; J20.F27 v1(38.57,89.84) ; J21.C8 v1(42.41,189.01) ; J21.D23 v1(41.14,169.96) ; J21.H34 v1(36.06,155.99) ; J20.H7 v1(36.03,115.24) ; J20.G16 v1(37.3,103.81) ; J21.D11 v1(41.14,185.2) ; J20.F1 v1(38.57,122.86) ; J20.F18 v1(38.57,101.27) ; v1(43.68,163.61) J21.B28 ; J21.H8 v1(36.06,189.01) ; J21.H15 v1(36.06,180.12) ; J20.H6 v1(36.03,116.51) ; J20.H12 v1(36.03,108.89) ; J21.C23 v1(42.41,169.96) ; J21.H39 v1(36.06,149.64) ; J20.D31 v1(41.11,84.76) ; J20.D33 v1(41.11,82.22) ; v1(43.68,171.23) J21.B22 ; J20.E32 v1(39.84,83.49) ; J21.E30 v1(39.87,161.07) ; J20.C23 v1(42.38,94.92) ; J20.E6 v1(39.84,116.51) ; v1(43.68,167.42) J21.B25 ; J20.H25 v1(36.03,92.38) ; J20.G10 v1(37.3,111.43) ; J20.D3 v1(41.11,120.32) ; J21.D40 v1(41.14,148.37) ; J20.H21 v1(36.03,97.46) ; J21.B26 v1(43.68,166.15) ; J20.E22 v1(39.84,96.19) ; J21.G1 v1(37.33,197.9) ; J20.B32 v1(43.65,83.49) ; J21.B40 v1(43.68,148.37) ; J20.H29 v1(36.03,87.3) ; J21.E1 v1(39.87,197.9) ; J20.F37 v1(38.57,77.14) ; J21.H20 v1(36.06,173.77) ; J20.C36 v1(42.38,78.41) ; J21.A28 v1(44.95,163.61) ; J20.A30 v1(44.92,86.03) ; J20.B18 v1(43.65,101.27) ; J21.E5 v1(39.87,192.82) ; J20.B39 v1(43.65,74.6) ; J21.D32 v1(41.14,158.53) ; v1(43.68,191.55) J21.B6 ; J20.C24 v1(42.38,93.65) ; J20.G15 v1(37.3,105.08) ; J21.F33 v1(38.6,157.26) ; J21.A22 v1(44.95,171.23) ; J21.H38 v1(36.06,150.91) ; J20.G36 v1(37.3,78.41) ; J20.D24 v1(41.11,93.65) ; J21.E23 v1(39.87,169.96) ; J20.C32 v1(42.38,83.49) ; J20.E30 v1(39.84,86.03) ; J21.C40 v1(42.41,148.37) ; J21.D33 v1(41.14,157.26) ; J20.E26 v1(39.84,91.11) ; J21.H17 v1(36.06,177.58) ; J20.D28 v1(41.11,88.57) ; J20.H14 v1(36.03,106.35) ; J20.H31 v1(36.03,84.76) ; J21.G30 v1(37.33,161.07) ; J21.D30 v1(41.14,161.07) ; J20.B27 v1(43.65,89.84) ; J20.F28 v1(38.57,88.57) ; J20.B33 v1(43.65,82.22) ; J20.C8 v1(42.38,113.97) ; J20.E9 v1(39.84,112.7) ; J20.D32 v1(41.11,83.49) ; J21.F40 v1(38.6,148.37) ; J20.D25 v1(41.11,92.38) ; J21.A25 v1(44.95,167.42) ; J20.B37 v1(43.65,77.14) ; J21.D36 v1(41.14,153.45) ; J21.H16 v1(36.06,178.85) ; J21.D25 v1(41.14,167.42) ; J20.E19 v1(39.84,100) ; J20.A27 v1(44.92,89.84) ; J20.D29 v1(41.11,87.3) ; J21.F19 v1(38.6,175.04) ; J20.B26 v1(43.65,91.11) ; J20.H37 v1(36.03,77.14) ; J21.C1 v1(42.41,197.9) ; J20.B30 v1(43.65,86.03) ; J21.E32 v1(39.87,158.53) ; J20.G24 v1(37.3,93.65) ; J20.E12 v1(39.84,108.89) ; J21.A31 v1(44.95,159.8) ; J21.G31 v1(37.33,159.8) ; J20.B8 v1(43.65,113.97) ; J20.H4 v1(36.03,119.05) ; J20.F15 v1(38.57,105.08) ; J21.C37 v1(42.41,152.18) ; J21.B29 v1(43.68,162.34) ; J21.F30 v1(38.6,161.07) ; J20.E24 v1(39.84,93.65) ; J21.H29 v1(36.06,162.34) ; J21.H12 v1(36.06,183.93) ; J20.A28 v1(44.92,88.57) ; J21.H6 v1(36.06,191.55) ; v1(43.68,159.8) J21.B31 ; J21.F31 v1(38.6,159.8) ; J21.C11 v1(42.41,185.2) ; J20.B29 v1(43.65,87.3) ; J21.E25 v1(39.87,167.42) ; v1(42.41,158.53) J21.C32 ; J21.F16 v1(38.6,178.85) ; J20.E18 v1(39.84,101.27) ; J21.E26 v1(39.87,166.15) ; J21.A17 v1(44.95,177.58) ; J20.H26 v1(36.03,91.11) ; J20.A33 v1(44.92,82.22) ; J20.F31 v1(38.57,84.76) ; J21.H37 v1(36.06,152.18) ; J20.F3 v1(38.57,120.32) ; J21.F17 v1(38.6,177.58) ; J21.H14 v1(36.06,181.39) ; J21.D6 v1(41.14,191.55) ; J20.G6 v1(37.3,116.51) ; J21.D22 v1(41.14,171.23) ; J21.H23 v1(36.06,169.96) ; J20.C26 v1(42.38,91.11) ; J21.H4 v1(36.06,194.09) ; J20.A24 v1(44.92,93.65) ; J21.B17 v1(43.68,177.58) ; J21.F14 v1(38.6,181.39) ; J21.D27 v1(41.14,164.88) ; J21.A24 v1(44.95,168.69) ; J21.H22 v1(36.06,171.23) ; J20.G4 v1(37.3,119.05) ; J21.H26 v1(36.06,166.15) ; J21.E31 v1(39.87,159.8) ; J21.G34 v1(37.33,155.99) ; J20.E40 v1(39.84,73.33) ; J20.E15 v1(39.84,105.08) ; J21.G36 v1(37.33,153.45) ; J20.H24 v1(36.03,93.65) ; J21.H11 v1(36.06,185.2) ; J20.D15 v1(41.11,105.08) ; v1(43.68,189.01) J21.B8 ; J20.H17 v1(36.03,102.54) ; J21.G11 v1(37.33,185.2) ; J21.G10 v1(37.33,186.47) ; J21.A26 v1(44.95,166.15) ; J20.F4 v1(38.57,119.05) ; J20.D13 v1(41.11,107.62) ; J20.F39 v1(38.57,74.6) ; J20.D8 v1(41.11,113.97) ; J21.A14 v1(44.95,181.39) ; J20.G33 v1(37.3,82.22) ; J20.A36 v1(44.92,78.41) ; J20.F10 v1(38.57,111.43) ; J21.E39 v1(39.87,149.64) ; J20.E8 v1(39.84,113.97) ; J21.G13 v1(37.33,182.66) ; J20.H15 v1(36.03,105.08) ; J21.E8 v1(39.87,189.01) ; J21.E36 v1(39.87,153.45) ; J20.H5 v1(36.03,117.78) ; J20.D9 v1(41.11,112.7) ; J21.A33 v1(44.95,157.26) ; J21.A29 v1(44.95,162.34) ; J21.C26 v1(42.41,166.15) ; J20.D39 v1(41.11,74.6) ; J21.D20 v1(41.14,173.77) ; J20.D26 v1(41.11,91.11) ; J20.A15 v1(44.92,105.08) ; J20.D18 v1(41.11,101.27) ; J21.E28 v1(39.87,163.61) ; J21.E24 v1(39.87,168.69) ; J21.F27 v1(38.6,164.88) ; J20.G25 v1(37.3,92.38) ; J20.D21 v1(41.11,97.46) ; J20.D37 v1(41.11,77.14) ; J20.F13 v1(38.57,107.62) ; J21.C31 v1(42.41,159.8) ; J21.G5 v1(37.33,192.82) ; J21.H31 v1(36.06,159.8) ; v1(43.68,155.99) J21.B34 ; J20.B24 v1(43.65,93.65) ; J20.H23 v1(36.03,94.92) ; J21.G33 v1(37.33,157.26) ; J20.G9 v1(37.3,112.7) ; J20.G30 v1(37.3,86.03) ; J21.A1 v1(44.95,197.9) ; J20.D10 v1(41.11,111.43) ; J20.C9 v1(42.38,112.7) ; v1(43.68,173.77) J21.B20 ; J21.E14 v1(39.87,181.39) ; J21.H2 v1(36.06,196.63) ; J20.E16 v1(39.84,103.81) ; J20.D35 v1(41.11,79.68) ; J20.A21 v1(44.92,97.46) ; J21.H35 v1(36.06,154.72) ; J20.F2 v1(38.57,121.59) ; J20.A25 v1(44.92,92.38) ; J20.G28 v1(37.3,88.57) ; J21.G16 v1(37.33,178.85) ; J21.E29 v1(39.87,162.34) ; J20.C6 v1(42.38,116.51) ; J21.E20 v1(39.87,173.77) ; J21.C5 v1(42.41,192.82) ; J21.D26 v1(41.14,166.15) ; J21.H33 v1(36.06,157.26) ; J20.C27 v1(42.38,89.84) ; J21.C20 v1(42.41,173.77) ; J20.F22 v1(38.57,96.19) ; J20.E4 v1(39.84,119.05) ; J21.E34 v1(39.87,155.99) ; J20.G40 v1(37.3,73.33) ; J21.B37 v1(43.68,152.18) ; J20.A6 v1(44.92,116.51) ; J20.A38 v1(44.92,75.87) ; J21.F34 v1(38.6,155.99) ; J21.D28 v1(41.14,163.61) ; J21.D17 v1(41.14,177.58) ; J21.D2 v1(41.14,196.63) ; J20.D12 v1(41.11,108.89) ; J20.H11 v1(36.03,110.16) ; J20.H39 v1(36.03,74.6) ; v1(43.68,194.09) J21.B4 ; J21.D39 v1(41.14,149.64) ; J21.G14 v1(37.33,181.39) ; J20.E25 v1(39.84,92.38) ; J21.E13 v1(39.87,182.66) ; J21.G28 v1(37.33,163.61) ; J21.D37 v1(41.14,152.18) ; J21.A3 v1(44.95,195.36) ; J21.D13 v1(41.14,182.66) ; J20.D16 v1(41.11,103.81) ; J21.G17 v1(37.33,177.58) ; J20.H9 v1(36.03,112.7) ; J20.C18 v1(42.38,101.27) ; J21.G25 v1(37.33,167.42) ; J21.H10 v1(36.06,186.47) ; J21.A20 v1(44.95,173.77) ; J20.C3 v1(42.38,120.32) ; J21.C34 v1(42.41,155.99) ; J20.E23 v1(39.84,94.92) ; J20.B3 v1(43.65,120.32) ; J20.E10 v1(39.84,111.43) ; J20.D2 v1(41.11,121.59) ; v1(43.68,196.63) J21.B2 ; J20.C15 v1(42.38,105.08) ; J21.F10 v1(38.6,186.47) ; J21.C17 v1(42.41,177.58) ; J21.F4 v1(38.6,194.09) ; J20.F9 v1(38.57,112.7) ; J20.A7 v1(44.92,115.24) ; J20.D30 v1(41.11,86.03) ; J20.E7 v1(39.84,115.24) ; J21.E22 v1(39.87,171.23) ; J20.B6 v1(43.65,116.51) ; J20.A18 v1(44.92,101.27) ; J20.A3 v1(44.92,120.32) ; J21.C3 v1(42.41,195.36) ; J21.F25 v1(38.6,167.42) ; J21.F36 v1(38.6,153.45) ; v1(43.68,158.53) J21.B32 ; J20.F19 v1(38.57,100) ; J20.E2 v1(39.84,121.59) ; J20.H16 v1(36.03,103.81) ; J21.E33 v1(39.87,157.26) ; J20.H30 v1(36.03,86.03) ; J21.D16 v1(41.14,178.85) ; J20.C21 v1(42.38,97.46) ; J21.D14 v1(41.14,181.39) ; J20.F16 v1(38.57,103.81) ; J20.A2 v1(44.92,121.59) ; J21.H25 v1(36.06,167.42) ; J21.E10 v1(39.87,186.47) ; J20.D19 v1(41.11,100) ; J20.F7 v1(38.57,115.24) ; J20.E38 v1(39.84,75.87) ; J20.G31 v1(37.3,84.76) ; J21.G24 v1(37.33,168.69) ; J20.B9 v1(43.65,112.7) ; J21.D24 v1(41.14,168.69) ; J20.E27 v1(39.84,89.84) ; J21.B11 v1(43.68,185.2) ; J21.H18 v1(36.06,176.31) ; J20.F25 v1(38.57,92.38) ; J21.C28 v1(42.41,163.61) ; J21.D19 v1(41.14,175.04) ; J20.F35 v1(38.57,79.68) ; J20.H18 v1(36.03,101.27)
  vias: v1(67.94,251.77) v1(67.94,250.25) v1(68.7,22.66) v1(68.7,21.14) v1(68.96,252.79) v1(68.96,251.77) v1(68.96,250.25) v1(68.96,249.23) v1(69.72,23.68) v1(69.72,22.66) v1(69.72,21.14) v1(69.72,20.12) v1(70.48,252.79) v1(70.48,251.77) v1(70.48,250.25) v1(70.48,249.23) v1(71.24,23.68) v1(71.24,22.66) v1(71.24,21.14) v1(71.24,20.12) v1(71.5,251.77) v1(71.5,250.25) v1(72.26,22.66) v1(72.26,21.14) v1(83.94,22.66) v1(83.94,21.14) v1(84.96,23.68) v1(84.96,22.66) v1(84.96,21.14) v1(84.96,20.12) v1(86.48,23.68) v1(86.48,22.66) v1(86.48,21.14) v1(86.48,20.12) v1(87.5,22.66) v1(87.5,21.14) v1(90.8,251.77) v1(90.8,250.25) v1(91.82,252.79) v1(91.82,251.77) v1(91.82,250.25) v1(91.82,249.23) v1(93.34,252.79) v1(93.34,251.77) v1(93.34,250.25) v1(93.34,249.23) v1(94.36,251.77) v1(94.36,250.25) v1(126.87,251.77) v1(126.87,250.25) v1(127.88,252.79) v1(127.88,251.77) v1(127.88,250.25) v1(127.88,249.23) v1(129.41,252.79) v1(129.41,251.77) v1(129.41,250.25) v1(129.41,249.23) v1(130.42,251.77) v1(130.42,250.25) v1(143.89,251.77) v1(143.89,250.25) v1(144.9,252.79) v1(144.9,251.77) v1(144.9,250.25) v1(144.9,249.23) v1(146.43,252.79) v1(146.43,251.77) v1(146.43,250.25) v1(146.43,249.23) v1(147.44,251.77) v1(147.44,250.25)
